# KiCad board prototype_01.kicad_pcb (continued)
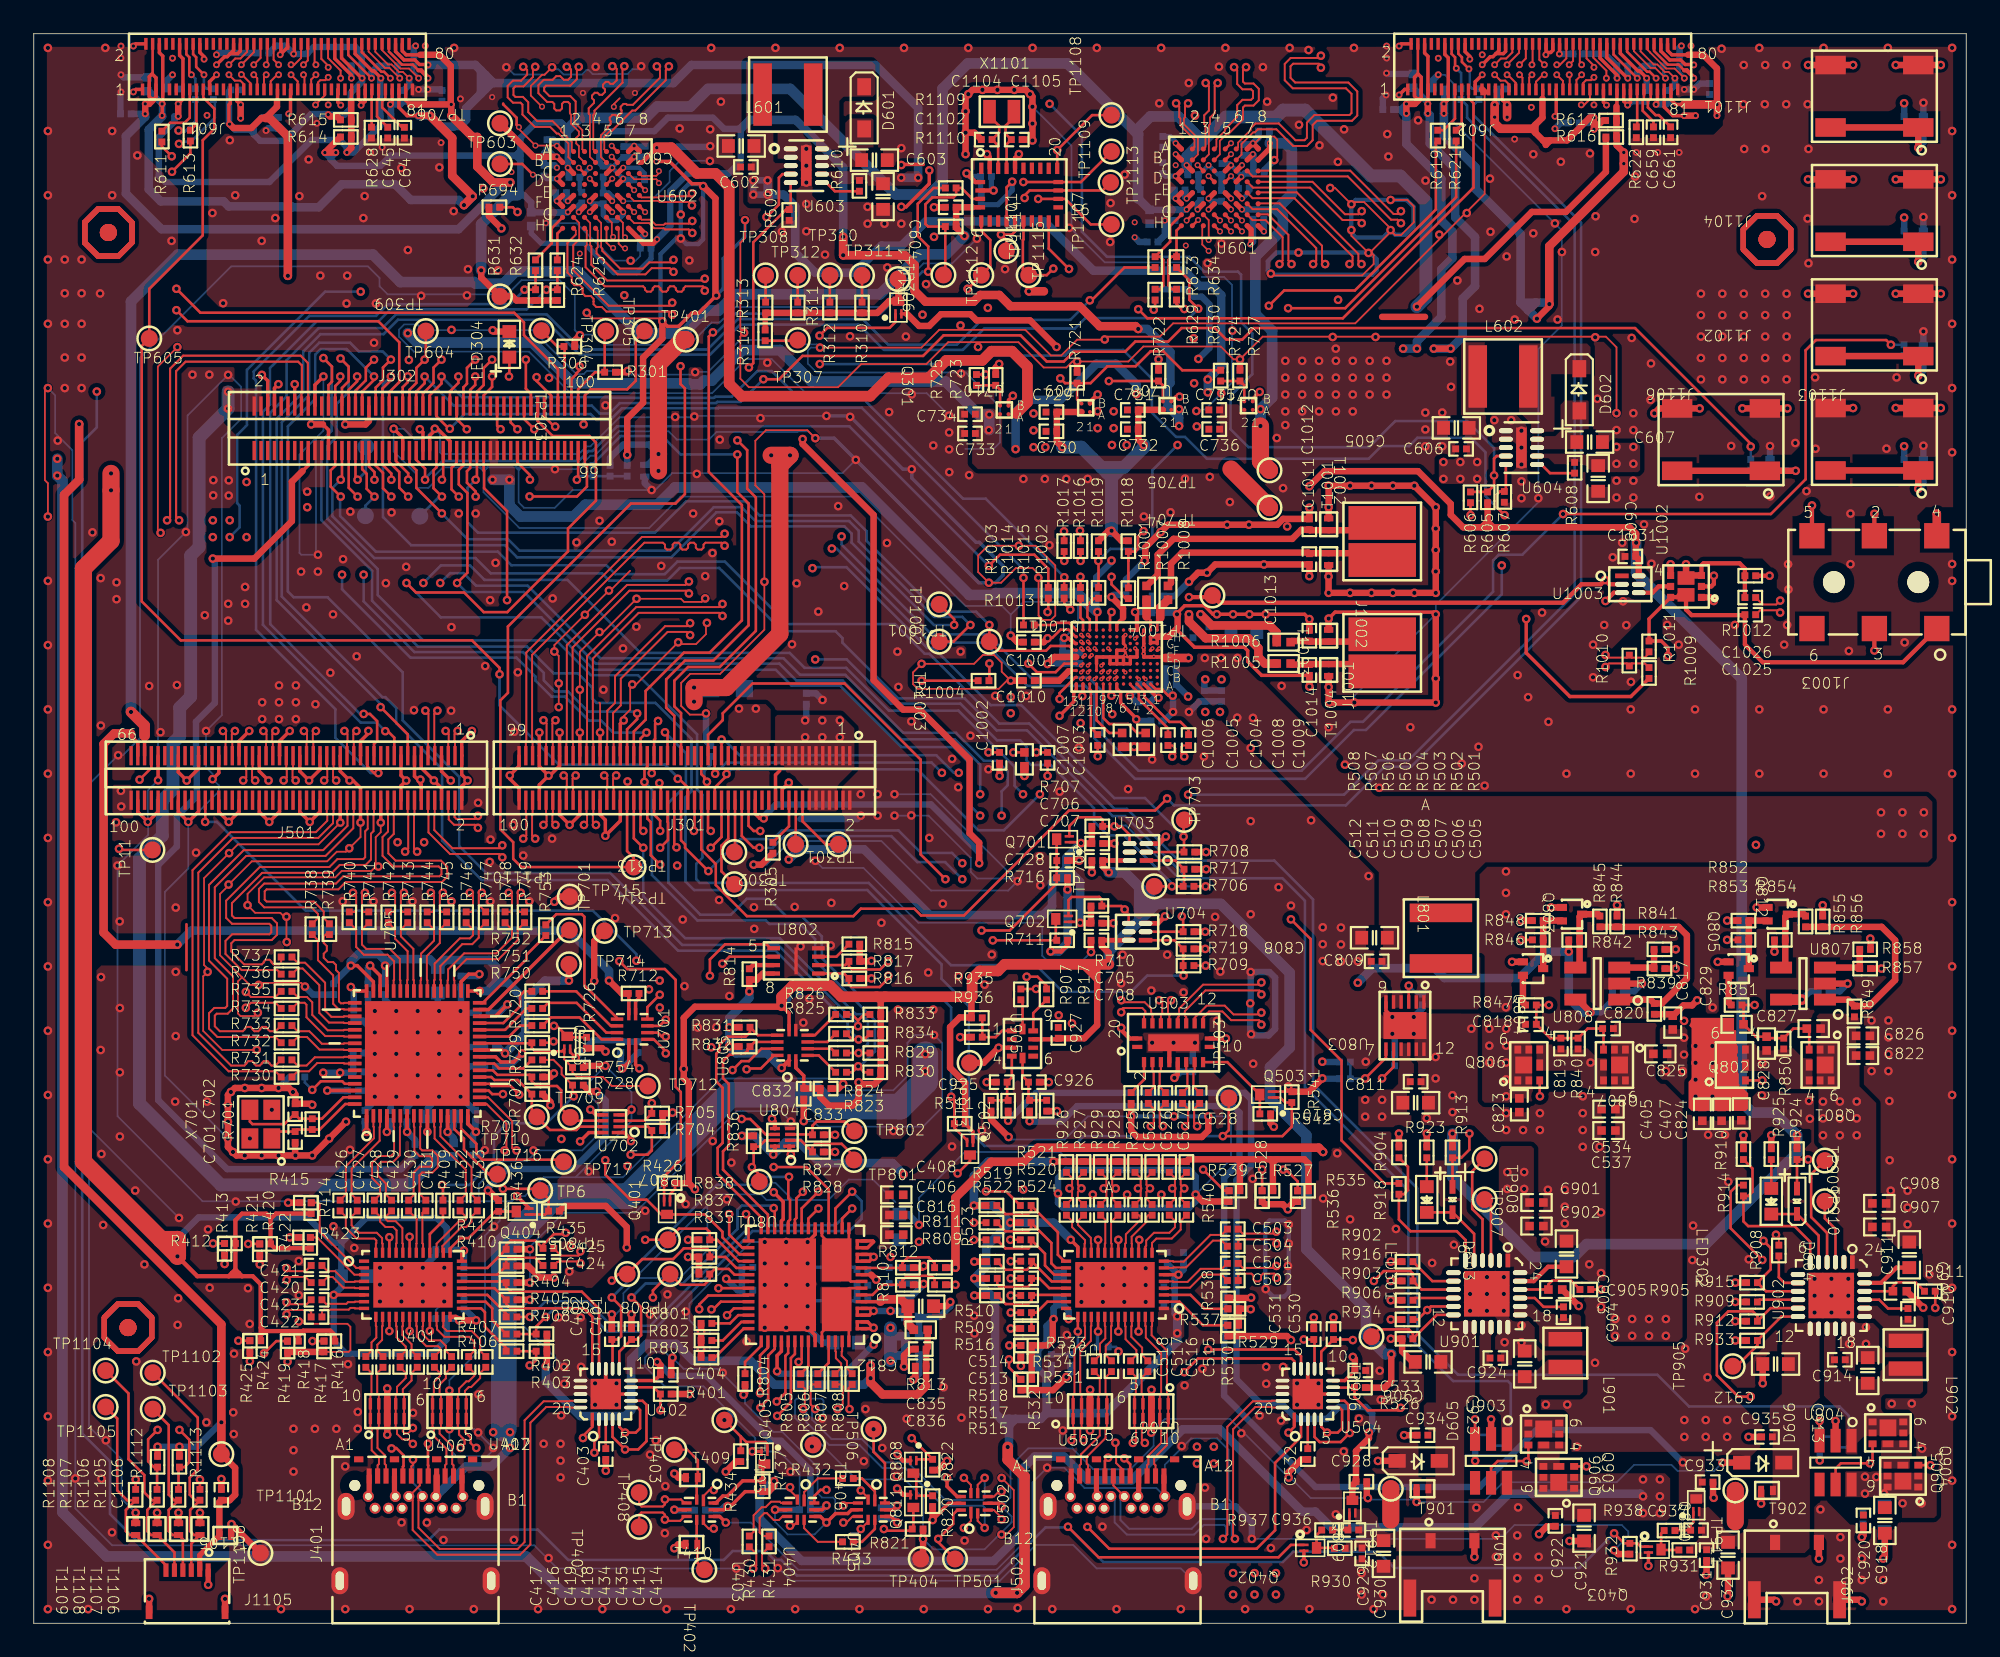
[diagram p0: board, top side]
## Nets (continued)
GND: C401.2 C402.2 C403.2 C404.2 C405.2 C406.2 C407.2 C408.2 C409.2 C410.2 C411.2 C412.2 C413.2 C436.2 C437.2 C438.2 C519.2 C520.2 C521.2 C522.2 C523.2 C524.2 C529.2 C530.2 C531.2 C532.2 C533.2 C534.2 C535.2 C536.2 C537.2 C601.2 C602.2 C603.2 C604.2 C605.2 C606.2 C607.2 C608.2 C609.2 C610.2 C611.2 C612.2 C613.2 C614.2 C615.2 C616.2 C617.2 C618.2 C619.2 C620.2 C621.2 C622.2 C623.2 C624.2 C625.2 C626.2 C627.2 C628.2 C629.2 C630.2 C631.2 C632.2 C633.2 C634.2 C635.1 C636.1 C637.1 C638.1 C639.2 C640.1 C641.2 C642.1 C643.1 C644.1 C645.1 C646.1 C647.1 C648.1 C649.1 C650.1 C651.1 C652.1 C653.2 C654.1 C655.2 C656.1 C657.1 C658.1 C659.1 C660.1 C661.1 C662.1 C701.2 C702.2 C703.2 C704.2 C705.2 C706.2 C707.2 C708.2 C709.2 C710.2 C711.2 C712.2 C713.2 C714.2 C715.2 C716.2 C717.2 C718.2 C719.2 C720.2 C722.2 C723.2 C724.2 C725.2 C726.2 C727.2 C728.2 C729.2 C730.2 C731.2 C732.2 C733.2 C734.2 C735.2 C736.2 C801.2 C802.2 C803.2 C804.2 C805.2 C806.2 C807.2 C808.2 C809.2 C810.1 C811.2 C812.1 C813.1 C814.1 C815.2 C816.2 C817.1 C821.2 C822.2 C823.2 C824.2 C825.2 C826.1 C830.2 C831.2 C832.2 C833.2 C834.2 C835.2 C836.2 C901.2 C902.2 C903.1 C905.1 C906.2 C907.2 C908.2 C909.1 C911.1 C912.2 C913.1 C914.2 C917.1 C918.1 C919.2 C920.2 C921.1 C922.2 C923.1 C924.2 C925.2 C926.2 C927.2 C928.2 C929.2 C930.1 C931.2 C932.1 C933.2 C934.2 C935.2 C1001.2 C1002.2 C1004.2 C1005.2 C1007.2 C1010.2 C1011.2 C1012.2 C1013.2 C1014.2 C1015.2 C1016.2 C1017.2 C1018.2 C1019.2 C1020.2 C1021.2 C1022.2 C1023.2 C1024.2 C1027.2 C1028.2 C1029.2 C1030.2 C1031.2 C1032.2 C1033.2 C1101.2 C1102.2 C1103.2 C1104.2 C1105.2 C1106.1 D605.1 D606.1 J301.2 J301.4 J301.22 J301.69 J301.70 J301.75 J301.76 J301.81 J301.82 J301.87 J301.88 J301.93 J301.94 J301.99 J301.100 J302.8 J302.14 J302.20 J302.45 J302.53 J302.59 J401.1 J401.2 J401.3 J401.4 J401.A1 J401.A12 J401.B1 J401.B12 J501.1 J501.2 J501.7 J501.8 J501.13 J501.14 J501.15 J501.19 J501.20 J501.26 J501.31 J501.32 J501.37 J501.38 J501.43 J501.44 J501.49 J501.50 J501.55 J501.56 J501.61 J501.62 J501.67 J501.68 J501.73 J501.74 J501.79 J501.80 J501.85 J501.86 J501.91 J501.92 J501.98 J502.1 J502.2 J502.3 J502.4 J502.A1 J502.A12 J502.B1 J502.B12 J601.1 J601.2 J601.8 J601.9 J601.10 J601.11 J601.18 J601.21 J601.22 J601.23 J601.24 J601.25 J601.28 J601.29 J601.30 J601.42 J601.43 J601.44 J601.45 J601.57 J601.58 J601.59 J601.62 J601.65 J601.66 J601.67 J601.74 J601.75 J601.80 J601.81 J602.1 J602.2 J602.8 J602.9 J602.10 J602.11 J602.18 J602.21 J602.22 J602.23 J602.24 J602.25 J602.28 J602.29 J602.30 J602.42 J602.43 J602.44 J602.45 J602.57 J602.58 J602.59 J602.62 J602.65 J602.66 J602.67 J602.74 J602.75 J602.80 J602.81 J901.2 J901.3 J901.4 J902.2 J902.3 J902.4 J1101.3 J1101.4 J1102.3 J1102.4 J1103.3 J1103.4 J1104.3 J1104.4 J1105.1 J1105.7 J1105.8 J1106.3 J1106.4 LED304.2 Q402.2 Q403.2 Q404.2 Q405.2 Q503.2 Q703.2 Q803.2 Q804.2 Q805.2 Q808.2 Q812.2 R301.2 R304.1 R305.2 R306.2 R404.1 R405.1 R411.2 R413.2 R415.2 R417.2 R419.2 R421.2 R423.2 R425.2 R429.1 R434.2 R435.2 R510.1 R513.2 R515.2 R516.2 R525.1 R528.2 R530.2 R532.2 R534.2 R536.2 R538.2 R540.2 R541.2 R607.1 R609.1 R622.1 R628.1 R684.2 R694.2 R708.2 R712.1 R713.1 R717.1 R718.1 R719.1 R721.1 R722.1 R723.1 R727.1 R754.2 R801.1 R802.1 R803.1 R804.1 R810.1 R812.1 R818.1 R819.1 R821.2 R822.2 R843.1 R844.1 R848.1 R852.1 R856.1 R857.1 R860.2 R902.1 R903.1 R904.1 R906.2 R908.1 R909.1 R910.1 R912.2 R915.1 R916.1 R919.1 R921.1 R926.2 R928.2 R932.2 R933.1 R934.1 R936.1 T409.1 T410.1 T411.1 T901.1 T902.1 T1001.1 T1002.1 T1003.1 T1004.1 T1101.1 T1102.1 T1103.1 T1104.1 T1105.1 T1106.1 T1107.1 T1108.1 T1109.1 T1110.1 TP404.1 TP715.1 TP913.1 TP1106.1 U401.41 U402.21 U403.4 U403.8 U404.4 U404.8 U405.4 U405.8 U406.3 U406.8 U407.3 U407.8 U501.41 U502.4 U502.8 U503.5 U503.11 U503.20 U503.21 U504.21 U505.3 U505.8 U506.3 U506.8 U601.A1 U601.A7 U601.A8 U601.C1 U601.C6 U601.D1 U601.E1 U601.E5 U601.E6 U601.F1 U601.F4 U601.F5 U601.H8 U602.A1 U602.A7 U602.A8 U602.C1 U602.C6 U602.D1 U602.E1 U602.E5 U602.E6 U602.F1 U602.F4 U602.F5 U602.H8 U603.1 U603.2 U603.11 U604.1 U604.2 U604.11 U701.7 U702.4 U703.3 U704.3 U705.65 U708.B1 U709.B1 U710.B1 U711.B1 U801.20 U801.51 U801.59 U802.4 U802.9 U803.6 U803.11 U803.12 U803.13 U804.4 U805.7 U807.2 U808.2 U901.17 U901.18 U901.25 U902.17 U902.18 U902.25 U903.2 U904.2 U905.3 U1001.A2 U1001.B7 U1001.C10 U1001.D5 U1001.D6 U1001.D7 U1001.D8 U1001.D10 U1001.E4 U1001.E5 U1001.E6 U1001.E7 U1001.E8 U1001.E9 U1001.E10 U1001.E12 U1001.F4 U1001.F6 U1001.F7 U1001.G1 U1001.G2 U1001.G6 U1001.G13 U1001.H1 U1001.H2 U1001.H4 U1001.H6 U1002.1 U1002.4 U1003.3 U1101.2 U1101.25 X701.2 X701.4
546_EN: Q404.3 R436.2 U401.29
4212_SEL: Q503.3 R542.2 U503.9
APQ_REOUT_N: J302.61 Q301.1
AUXN: C425.1 R411.1 R720.1 U401.27
BACKLIGHT_EN: J301.67 R606.2
BOOT_CONF_1P8: Q301.3 R310.2 R311.2 R312.2 R313.2 R314.2 TP306.1
BOOT_CONFIG1: R312.1 TP310.1
BOOT_CONFIG2: R313.1 TP308.1
BOOT_CONFIG3: R314.1 TP307.1
BTN_PHONE_ON_N: J301.32 R1104.1
CAM0_RST_N: J302.42 R706.2 R717.2 TP702.1 U703.1
CAM0_STANDBY_N: J302.28 R709.2 R719.2 U704.1
CAM1_RST_N: J302.92 R708.1 TP703.1 U703.2
CAM1_STANDBY_N: J301.43 R718.2 U704.2
CCI_I2C_SCL0: J501.27 R633.2 R704.1 U702.2
CCI_I2C_SDA0: J501.17 R634.2 R705.1 U702.3
CDC_MCLK: J302.49 R1003.1
CHG_PWR: C817.2 C818.1 C822.1 C823.1 C826.2 C827.1 C901.1 C902.1 C907.1 C908.1 Q801.1 Q801.2 Q801.5 Q801.6 Q801.8 Q806.1 Q806.2 Q806.5 Q806.6 Q806.8 R839.2 R849.2 R923.1 R925.1 U901.1 U901.24 U902.1 U902.24
CODEC_DATA: R1017.2 U701.6
CODEC_INT1_N: J302.47 TP1003.1 U1001.F11
CODEC_LDOENA: J302.67 TP1001.1 U1001.F13
CODEC_MCLK: R1004.1 U701.5
CODEC_RESET_N: J302.40 TP1002.1 U1001.D9
CODEC_SCL: J301.60 R1002.1 R1019.2
CODEC_SCLK: R1015.2 U701.4
CODEC_SDA: J301.62 R1001.1 R1018.2
CODEC_WS: R1016.2 U701.3
CTRL: R605.1 R606.1 U603.4 U604.4
DP_D0+: C426.2 U705.2
DP_D0-: C427.2 U705.3
DP_D1+: C428.2 U705.5
DP_D1-: C429.2 U705.6
DP_D2+: C430.2 U705.8
DP_D2-: C431.2 U705.9
DP_D3+: C432.2 U705.11
DP_D3-: C433.2 U705.12
DPEQ0/A1: R527.2 R528.1 U501.14
DPEQ1: R529.2 R530.1 U501.2
DRAIN1: U801.8 U801.15 U801.19 U801.58
DRAIN2: U801.7 U801.52 U801.56 U801.57
EQ0: R531.2 R532.1 U501.38
EQ1: R533.2 R534.1 U501.35
FAST_BOOT_0: J302.94 R306.1 TP303.1
FORCED_USB_BOOT: J302.100 TP305.1
FORCED_USB_BOOT1: R310.1 TP311.1
GPIO5: Q703.1 R720.2 R754.1 TP712.1 U705.26
GPIO5_CPU: J301.59 Q703.3 R726.2
GPIO14: R803.2 U801.42
GPIO15: R804.2 U801.43
GPIO76_BACK_KEY: J302.50 R1111.1
GPIO77_BOOT_UP: J302.52 Q402.1 Q403.1 R932.1
GPSWN: R1010.1 R1011.2 U1001.D11
GPSWP: R1009.1 R1010.2 U1001.D12
GYRO_INT: J301.68 TP1110.1 U1101.14
HDMI_DDC_CLOCK: J301.61 R823.1 R830.1
HDMI_DDC_DATA: J301.66 R824.1 R829.1
HDMI_HOT_PLUG_DETECT: J301.55 Q502.2 R511.2
HDMI_TCLK_N: C507.1 J501.10 R503.2
HDMI_TCLK_P: C508.1 J501.12 R504.2
HDMI_TX0_N: C505.1 J501.3 R501.2
HDMI_TX0_P: C506.1 J501.5 R502.2
HDMI_TX1_N: C510.1 J501.4 R506.2
HDMI_TX1_P: C509.1 J501.6 R505.2
HDMI_TX2_N: C512.1 J501.9 R508.2
HDMI_TX2_P: C511.1 J501.11 R507.2
HOME_KEY: J302.69 R1103.1
HPOUTFB1/MICDET2: C1026.2 J1003.4 R1012.1 U1001.A13 U1002.3 U1002.8
HPOUTL: J1003.2 U1001.B8 U1001.B12
HPOUTR: J1003.3 U1001.A8 U1001.A12
HRESET: Q811.3 R821.1 U801.44
I2C1_IRQZ: R836.1 TP807.1 U801.29 U804.7
I2C1_SCL: R832.1 U801.27 U805.10
I2C1_SDA: R831.1 U801.28 U805.9
I2C2_IRQZ: R835.1 TP808.1 U801.34 U804.6
I2C2_SCL: R838.1 TP805.1 U801.32 U805.12
I2C2_SDA: R837.1 TP806.1 U801.33 U805.11
I2C_EN: R539.2 R540.1 U501.17
I2C_L_SCL: J501.29 R624.1 R631.2
I2C_L_SDA: J501.21 R625.1 R632.2
I2C_LEVEL_SCL1: R825.2 U805.5
I2C_LEVEL_SCL2: R823.2 U805.3
I2C_LEVEL_SDA1: R826.2 U805.6
I2C_LEVEL_SDA2: R824.2 U805.4
I2C_R_SCL: J301.56 R626.1 R629.2
I2C_R_SDA: J301.54 R627.1 R630.2
I2C_SCL: J302.38 R825.1 R834.1 R907.2
I2C_SDA: J302.34 R826.1 R833.1 R917.2
IIS_DATA: R753.1 U701.9
IIS_MCLK: R752.1 U701.10
IIS_SCLK: R751.1 U701.11
IIS_WS: R750.1 U701.12
IN4N: C1026.1 U1001.B3
IN4P: C1025.1 U1001.B4
JACKDET: J1003.5 U1001.C8
L_775_EN: J301.64 R722.2 R725.2 U708.B2
L_AUXN: C425.2 U705.18
L_AUXP: C424.2 U705.17
L_BAT_CTL: J302.25 R922.1
L_C_CC1: J401.A5
L_C_CC2: J401.B5
L_C_SBU1: J401.A8 U402.1
L_C_SBU2: J401.B8
L_CC1: C402.1 U801.24
L_CC2: C401.1 U801.26
L_CHG_CE: J302.26 R915.2 U902.9
L_CHG_STAT: D604.1 J302.32 R924.2
L_D+: R432.2 U404.1
L_D-: R433.2 U404.7
L_DPEQ0: R412.2 R413.1 U401.35
L_DPEQ1: R414.2 R415.1 U401.2
L_EN: J301.51 R609.2 U603.5
L_EQ0: R416.2 R417.1 U401.11
L_EQ1: R418.2 R419.1 U401.14
L_FAULT: J302.88 R401.2
L_HPDIN: J301.40 Q401.2 R426.2
L_I2C_EN: R424.2 R425.1 U401.17
L_LCD_RST: J301.50 J601.19 TP605.1
L_LCD_VCCP: C635.2 C648.2 J601.3 J601.4 J601.5 J601.78 J601.79
L_OTG: J301.39 R914.1
L_RESET: J302.48 TP604.1 U602.D4
L_RX1+: C419.1 J401.B11 U406.4 U406.7
L_RX1-: C418.1 J401.B10 U406.5 U406.6
L_RX2+: C435.1 J401.A11 U407.2 U407.9
L_RX2-: C434.1 J401.A10 U407.1 U407.10
L_SBU1: R405.2 U401.24
L_SBU2: R404.2 U401.25
L_SPI_CLK: J302.41 R611.2
L_SPI_CS: J302.35 R623.2
L_SPI_MISO: J302.39 R613.2
L_SPI_MOSI: J302.37 R612.2
L_SSEQ0: R420.2 R421.1 U401.38
L_SSEQ1: R422.2 R423.1 U401.3
L_SSRXN: C421.2 U503.18
L_SSRXP: C420.2 U503.19
L_SSTXN: C423.2 U503.16
L_SSTXP: C422.2 U503.17
L_STAT: D604.2 LED302.2 U902.5
L_STBY: J302.43 TP603.1 U602.C3
L_TX1+: C417.1 J401.A2 U406.1 U406.10
L_TX1-: C416.1 J401.A3 U406.2 U406.9
L_TX2+: C414.1 J401.B2 U407.5 U407.6
L_TX2-: C415.1 J401.B3 U407.4 U407.7
L_VBAT: C912.1 C931.1 C932.2 C935.1 C937.1 D606.2 J902.1 Q810.2 R931.1 T902.2 TP911.1 U902.13 U902.14
L_VBUS: C405.1 C406.1 C407.1 C408.1 C816.1 C824.1 C829.1 J401.A4 J401.A9 J401.B4 J401.B9 Q802.1 Q802.2 Q802.5 Q802.6 Q802.8 U801.13 U801.14
L_VDD1_1V8: C637.2 C642.2 J601.12 J601.13 J601.63 J601.64 R614.1 R615.1
L_VDD_10V: C604.1 C636.2 J601.6 J601.7 J601.76 J601.77 R610.2 U603.7
LCD_1V2_L: C613.1 C614.1 C615.1 C616.1 C617.1 C618.1 TP706.1 U602.B1 U602.B8 U602.E2 U602.E4 U602.F3 U602.F6 U710.A1
LCD_1V2_R: C619.1 C620.1 C621.1 C622.1 C623.1 C624.1 TP705.1 U601.B1 U601.B8 U601.E2 U601.E4 U601.F3 U601.F6 U711.A1
LCD_1V8_L: C630.1 C631.1 C632.1 C633.1 C634.1 R601.1 U602.B7 U602.C5 U602.D6 U602.H7 U708.A1
LCD_1V8_R: C625.1 C626.1 C627.1 C628.1 C629.1 R602.1 U601.B7 U601.C5 U601.D6 U601.H7 U709.A1
LL_VBAT: C933.1 Q810.3 R929.1
LLV1A: J601.31 U602.F7
LLV1B: J601.32 U602.F8
LLV2A: J601.33 U602.C7
LLV2B: J601.34 U602.C8
LLV3A: J601.35 U602.D7
LLV3B: J601.36 U602.D8
LLV4A: J601.37 U602.E7
LLV4B: J601.38 U602.E8
LLV5A: J601.39 U602.G7
LLV5B: J601.40 U602.G8
LLV6A: J601.53 U602.B2
LLV6B: J601.54 U602.A2
LLV7A: J601.51 U602.B3
LLV7B: J601.52 U602.A3
LLV8A: J601.49 U602.B4
LLV8B: J601.50 U602.A4
LLV9A: J601.47 U602.B6
LLV9B: J601.48 U602.A6
LLV10A: J601.55 U602.B5
LLV10B: J601.56 U602.A5
LT_I2C_SCL: R703.1 TP710.1 U702.7 U705.21
LT_I2C_SDA: R702.1 TP709.1 U702.6 U705.22
LT_VCC12: C717.1 C718.1 C719.1 C720.1 C722.1 C723.1 C724.1 C725.1 C726.1 C727.1 R715.1 TP713.1 U705.1 U705.4 U705.10 U705.13 U705.24 U705.30 U705.34 U705.46 U705.48 U705.59 U705.60
LT_VCC33: C703.1 C704.1 C709.1 C710.1 C711.1 C712.1 C713.1 C714.1 C715.1 C716.1 R702.2 R703.2 R711.1 R714.1 R716.2 TP714.1 U701.1 U702.8 U705.7 U705.16 U705.25 U705.33 U705.45 U705.47 U705.62
MICBIAS1: C1027.1 C1028.1 R1009.2 U1001.C7
MICBIAS2: C1029.1 C1030.1 R1012.2 U1001.C6
MICDET1/HPOUTFB2: C1025.2 J1003.1 R1011.1 U1001.B13 U1002.6 U1002.7
MICVDD: C1010.1 U1001.C13
MIPI_CSI0_CLK_N: J501.18 R734.2
MIPI_CSI0_CLK_P: J501.16 R735.2
MIPI_CSI0_LANE0_N: J501.24 R738.2
MIPI_CSI0_LANE0_P: J501.22 R739.2
MIPI_CSI0_LANE1_N: J501.30 R736.2
MIPI_CSI0_LANE1_P: J501.28 R737.2
MIPI_CSI0_LANE2_N: J501.36 R732.2
MIPI_CSI0_LANE2_P: J501.34 R733.2
MIPI_CSI0_LANE3_N: J501.42 R730.2
MIPI_CSI0_LANE3_P: J501.40 R731.2
MIPI_CSI1_CLK_N: J501.41 R744.2
MIPI_CSI1_CLK_P: J501.39 R745.2
MIPI_CSI1_LANE0_N: J501.35 R748.2
MIPI_CSI1_LANE0_P: J501.33 R749.2
MIPI_CSI1_LANE1_N: J501.45 R746.2
MIPI_CSI1_LANE1_P: J501.47 R747.2
MIPI_CSI1_LANE2_N: J501.53 R742.2
MIPI_CSI1_LANE2_P: J501.51 R743.2
MIPI_CSI1_LANE3_N: J501.59 R740.2
MIPI_CSI1_LANE3_P: J501.57 R741.2
MIPI_DSI0_CLK_N: J301.83 U601.H4
MIPI_DSI0_CLK_P: J301.85 U601.G4
MIPI_DSI0_LANE0_N: J301.74 U601.H2
MIPI_DSI0_LANE0_P: J301.72 U601.G2
MIPI_DSI0_LANE1_N: J301.77 U601.H3
MIPI_DSI0_LANE1_P: J301.79 U601.G3
MIPI_DSI0_LANE2_N: J301.73 U601.H5
MIPI_DSI0_LANE2_P: J301.71 U601.G5
MIPI_DSI0_LANE3_N: J301.97 U601.H6
MIPI_DSI0_LANE3_P: J301.95 U601.G6
MIPI_DSI1_CLK_N: J301.91 U602.H4
MIPI_DSI1_CLK_P: J301.89 U602.G4
MIPI_DSI1_LANE0_N: J301.86 U602.H2
MIPI_DSI1_LANE0_P: J301.84 U602.G2
MIPI_DSI1_LANE1_N: J301.78 U602.H3
MIPI_DSI1_LANE1_P: J301.80 U602.G3
MIPI_DSI1_LANE2_N: J301.98 U602.H5
MIPI_DSI1_LANE2_P: J301.96 U602.G5
MIPI_DSI1_LANE3_N: J301.92 U602.H6
MIPI_DSI1_LANE3_P: J301.90 U602.G6
OTG_EN: J301.52 R818.2 U803.3
PA_BC_R_D+: R805.1 U502.2
PA_BC_R_D-: R806.1 U502.6
PA_DP_MODE: R524.2 U801.21
PA_POL: R521.2 U801.23
PA_PP_EXT_ENABLE: R853.2 U801.48
PA_R_D+: J502.A6 J502.B6 U502.3
PA_R_D-: J502.A7 J502.B7 U502.5
PA_R_HPDIN: Q502.3 R512.2 R523.2 U801.30
PA_USB3: R522.2 U801.22
PB_BC_L_D+: R807.1 U405.2
PB_BC_L_D-: R808.1 U405.6
PB_DP_MODE: R408.2 U801.16
PB_L_D+: J401.A6 J401.B6 U405.3
PB_L_D-: J401.A7 J401.B7 U405.5
PB_L_HPDIN: Q401.3 R409.2 R728.1 R729.2 U801.31
PB_POL: R403.2 R406.2 U801.18
PB_PP_EXT_ENABLE: R846.2 U801.49
PB_USB3: R402.2 R407.2 U801.17
PD_I2C1_IRQZ: R828.1 TP801.1 U804.2
PD_I2C2_IRQZ: R827.1 TP802.1 U804.3
PD_LDO_1V8: C806.1 C807.1 U801.35
PD_LDO_3V3: C404.1 C436.1 C438.1 C529.1 C533.1 C801.1 C802.1 C803.1 C804.1 C805.1 C821.1 C830.1 C834.1 Q811.2 R542.1 R809.1 R811.1 R814.1 R815.1 R816.1 R817.1 R820.1 R831.2 R832.2 R835.2 R836.2 R837.2 R838.2 R842.2 R854.2 U404.9 U405.9 U502.9 U503.6 U801.9 U802.8 U804.8 U805.1 U807.5 U808.5
PD_RESET: J302.84 Q808.1 R822.1
PD_SPI_CLK: U801.38 U802.6
PD_SPI_MISO: R817.2 U801.36 U802.2
PD_SPI_MOSI: U801.37 U802.5
PD_SPI_SS: R816.2 U801.39 U802.1
R_775_EN: J301.58 R721.2 R724.2 U709.B2
R_AUXN: C513.1 C1008.2
R_AUXP: C514.1 C1009.2
R_BAT_CTL: J302.27 R920.1
R_C_CC1: J502.A5
R_C_CC2: J502.B5
R_C_SBU1: J502.A8 U504.1
R_C_SBU2: J502.B8
R_CC1: C531.1 U801.45
R_CC2: C530.1 U801.47
R_CHG_CE: J301.34 R916.2 U901.9
R_CHG_STAT: D603.1 J302.63 R913.2
R_D+: U404.2 U502.7
R_D-: U404.6 U502.1
R_EN: J302.82 R607.2 U604.5
R_FAULT: J302.86 R526.2
R_I2C_SCL: R629.1 R633.1 U601.G1
R_I2C_SDA: R630.1 R634.1 U601.H1
R_L_D+: R430.2 U403.1
R_L_D-: R431.2 U403.7
R_LCD_RST: J302.31 J602.19 TP606.1
R_LCD_VCCP: C649.2 C662.2 J602.3 J602.4 J602.5 J602.78 J602.79
R_OTG: J301.41 R918.1
R_RESET: J302.55 TP602.1 U601.D4
R_RX1+: J502.B11 U501.30 U505.1 U505.10
R_RX1-: J502.B10 U501.31 U505.2 U505.9
R_RX2+: J502.A11 U501.40 U506.1 U506.10
R_RX2-: J502.A10 U501.39 U506.2 U506.9
R_RX2N: C502.1 U503.14
R_RX2P: C501.1 U503.15
R_SBU1: R517.2
R_SBU2: R518.2
R_SPI_CLK: J301.44 R619.2
R_SPI_CS: J301.42 R618.2
R_SPI_MISO: J301.48 R621.2
R_SPI_MOSI: J301.46 R620.2
R_STAT: D603.2 LED301.2 U901.5
R_STBY: J302.33 TP601.1 U601.C3
R_TX1+: C518.2 J502.A2 U505.4 U505.7
R_TX1-: C517.2 J502.A3 U505.5 U505.6
R_TX2+: C515.2 J502.B2 U506.4 U506.7
R_TX2-: C516.2 J502.B3 U506.5 U506.6
R_TX2N: C504.1 U503.12
R_TX2P: C503.1 U503.13
R_VBAT: C906.1 C929.1 C930.2 C934.1 C936.1 D605.2 J901.1 Q809.2 R930.1 T901.2 TP912.1 U901.13 U901.14
R_VBUS: C534.1 C535.1 C536.1 C537.1 C815.1 C820.1 C825.1 J502.A4 J502.A9 J502.B4 J502.B9 Q807.1 Q807.2 Q807.5 Q807.6 Q807.8 U801.3 U801.4
R_VDD1_1V8: C651.2 C656.2 J602.12 J602.13 J602.63 J602.64 R616.1 R617.1
R_VDD_10V: C608.1 C650.2 J602.6 J602.7 J602.76 J602.77 R608.2 U604.7
REXT: R713.2 U705.61
RLV1A: J602.31 U601.F7
RLV1B: J602.32 U601.F8
RLV2A: J602.33 U601.C7
RLV2B: J602.34 U601.C8
RLV3A: J602.35 U601.D7
RLV3B: J602.36 U601.D8
RLV4A: J602.37 U601.E7
RLV4B: J602.38 U601.E8
RLV5A: J602.39 U601.G7
RLV5B: J602.40 U601.G8
RLV6A: J602.53 U601.B2
RLV6B: J602.54 U601.A2
RLV7A: J602.51 U601.B3
RLV7B: J602.52 U601.A3
RLV8A: J602.49 U601.B4
RLV8B: J602.50 U601.A4
RLV9A: J602.47 U601.B6
RLV9B: J602.48 U601.A6
RLV10A: J602.55 U601.B5
RLV10B: J602.56 U601.A5
RR_VBAT: C928.1 Q809.3 R927.1
RSTIN: C728.1 Q701.3 R716.1 U705.20
RX_HPD: R729.1 U705.23
SENSOR_BOOT: J301.65 R1109.2
SLEEP_33: Q702.3 R711.2 U705.19
SLIMBUS_CLK: J302.56 R1013.2
SLIMBUS_DATA0: J302.54 R1014.2
SS_CLK_SEL: J302.46 TP1114.1 U1101.10
SSC_NRST: J302.70 TP1115.1 U1101.11
SSC_SPI_1_CLK: J302.62 TP1109.1 U1101.19
SSC_SPI_1_CS_N: J302.64 TP1113.1 U1101.18
SSC_SPI_1_MISO: J302.68 TP1108.1 U1101.20
SSC_SPI_1_MOSI: J302.66 TP1107.1 U1101.17
SSC_WAKE_PS0: J302.60 TP1112.1 U1101.6
SSEQ0/A0: R535.2 R536.1 U501.11
SSEQ1: R537.2 R538.1 U501.3
SWD_CLK: R801.2 U801.40
SWD_DAT: R802.2 U801.41
SYS_5V: C810.2 C811.1 C813.2 C814.2 R859.1 U801.1 U801.2 U801.11 U801.12 U801.25 U801.46 U803.9 U803.10
SYS_VBAT: C437.1 C524.1 C601.1 C602.1 C605.1 C606.1 C808.1 C809.1 C917.2 C918.2 C919.1 C920.1 C921.2 C922.1 C1015.1 C1016.1 C1017.1 J301.1 J301.3 J301.5 J301.6 J301.7 J301.8 J301.9 J301.10 J301.11 J301.12 J301.13 J301.14 J301.15 J301.17 J301.19 J301.21 J301.23 J301.24 L601.1 L602.1 L801.1 Q905.1 Q905.2 Q905.5 Q905.6 Q905.8 Q906.1 Q906.2 Q906.5 Q906.6 Q906.8 R437.1 U403.9 U603.3 U604.3 U803.4 U803.5 U903.6 U904.6 U1001.E1 U1001.E2 U1001.E3 U1001.F3 U1001.G3 U1001.H3 U1001.J3
TP_EINT: J302.65 R1105.2
TP_RST: J302.90 R1108.2
TP_SCL: J302.74 R1106.2 R1113.2
TP_SDA: J302.78 R1107.2 R1112.2
TUSB1064_EN: J302.29 Q404.1 R435.1 TP6.1
USB1_HS_N: J302.18 TP407.1 U403.5
USB1_HS_P: J302.16 TP408.1 U403.3
USB1_R_L_SEL: J302.99 TP406.1 U404.10
USB1_SEL: J302.96 Q405.1 R434.1 TP405.1
USB1_SS_RX_N: C526.1 J501.71
USB1_SS_RX_P: C525.1 J501.69
USB1_SS_TX_N: C528.1 J501.65
USB1_SS_TX_P: C527.1 J501.63
USB3_SEL: J302.24 Q503.1 R541.1 TP503.1
USB_D+: T409.2 TP403.1 U403.2
USB_D-: T410.2 TP402.1 U403.6
USB_HS1_VBUS_DET: J302.97 R427.2 R428.1 R429.2
USB_HUB_RESET: J302.98 R301.1 TP304.1
USB_ID: J301.53 R427.1
USB_L_SEL: J302.30 TP506.1 U405.10
USB_R_SEL: J302.57 TP501.1 U502.10
USB_VBUS_5V: R303.1 R428.2 T411.2 TP401.1
VOLUME_DOWN: J301.63 R1102.1
VOLUME_UP: J501.78 R1101.1
VREG_L14A_2P8: C1106.2 J302.36 J1105.2 R1112.1 R1113.1 T1105.2 TP1101.1
VREG_L15A_1P2: C733.1 C734.1 C735.1 C736.1 J302.6 TP704.1 U710.A2 U711.A2
VREG_L17A_3P3: J302.17 R714.2
VREG_L18A_1P8: C652.2 C653.1 C654.2 C655.1 J501.100 J602.27 J602.41 J602.46 J602.60 R617.2
VREG_L19A_1P2: J302.2 J302.4 R715.2
VREG_L21A_3P3: C409.1 C410.1 C411.1 C412.1 C413.1 C835.1 C836.1 J302.19 J302.21 R402.1 R403.1 R410.2 R412.1 R414.1 R416.1 R418.1 R420.1 R422.1 R424.1 R436.1 R728.2 R813.1 U401.6 U401.20 U401.28
VREG_L22A_2P85: C1101.1 J301.30 U1101.3
VREG_L23A_1P8: C638.2 C639.1 C640.2 C641.1 J302.23 J601.27 J601.41 J601.46 J601.60 R615.2
VREG_L29A_3P3: C519.1 C520.1 C521.1 C522.1 C523.1 J302.51 R501.1 R502.1 R503.1 R504.1 R505.1 R506.1 R507.1 R508.1 R509.1 R514.2 R519.2 R520.2 R527.1 R529.1 R531.1 R533.1 R535.1 R537.1 R539.1 U501.1 U501.6 U501.20 U501.28
VREG_LVS1A_1P8: C705.1 C706.1 J501.97 Q701.1 Q702.1 R704.2 R705.2 R707.1 R710.1 R712.2 U701.8 U702.1 U702.5
VREG_LVS2A_1P8: C1102.1 J501.95 R1110.2 U1101.5 U1101.28
VREG_S4A_1P8: C609.1 C610.1 C611.1 C612.1 C707.1 C708.1 C729.1 C730.1 C731.1 C732.1 C831.1 C832.1 C833.1 C927.1 C1018.1 C1019.1 C1020.1 C1021.1 C1022.1 C1023.1 C1024.1 C1031.1 C1032.1 C1033.1 J302.71 J302.73 Q301.2 Q401.1 Q502.1 R401.1 R426.1 R511.1 R526.1 R601.2 R602.2 R605.2 R614.2 R616.2 R624.2 R625.2 R626.2 R627.2 R726.1 R827.2 R828.2 R829.2 R830.2 R833.2 R834.2 R913.1 R924.1 R935.1 R1018.1 R1019.1 TP309.1 U601.C2 U601.F2 U602.C2 U602.F2 U701.2 U703.6 U704.6 U708.A2 U709.A2 U804.1 U804.5 U805.2 U805.8 U905.8 U1001.A3 U1001.A7 U1001.C9 U1001.E13 U1001.G12 U1001.J4 U1001.J5 U1001.J7 U1001.J10 U1003.6
VSYNC: TP701.1 U705.31
WDOG_DISABLE: R311.1 TP312.1
WM8998_GPIO5: TP1004.1 U1001.E11 U1002.2 U1003.2
XTALI: C701.1 R701.1 U705.64 X701.1
XTALO: C702.1 R701.2 U705.63 X701.3
N449180: J501.93 TP11.1
N461675: C505.2 U501.9
N461827: C506.2 U501.10
N465991: C509.2 U501.15
N465995: C510.2 U501.16
N465999: C511.2 U501.18
N466003: C512.2 U501.19
N466007: C507.2 U501.12
N466011: C508.2 U501.13
N477533: C504.2 U501.7
N477537: C503.2 U501.8
N477541: C502.2 U501.4
N477545: C501.2 U501.5
N501104: R519.1 R521.1 U501.21
N503640: R520.1 R522.1 U501.22
N514349: C515.1 U501.37
N514831: C516.1 U501.36
N574039: J301.20 R305.1
N574665: J301.25 J301.27 J301.29 J301.31 J301.33 R303.2
N574841: J301.45 R304.2
N613918: C661.2 J602.73
N614800: C660.2 J602.72
N615585: C659.2 J602.71
N616373: C658.2 J602.70
N617736: J602.69 R622.2
N619066: C657.2 J602.68
N710068: C647.2 J601.73
N710130: C646.2 J601.72
N710232: C645.2 J601.71
N710312: C644.2 J601.70
N710404: J601.69 R628.2
N710552: C643.2 J601.68
N793506: R750.2 U705.27
N794309: R751.2 U705.28
N795118: R752.2 U705.29
N797581: R753.2 U705.32
N809060: R739.1 U705.49
N809517: R738.1 U705.50
N809979: R737.1 U705.51
N810442: R736.1 U705.52
N810906: R735.1 U705.53
N811371: R734.1 U705.54
N811837: R733.1 U705.55
N812368: R732.1 U705.56
N813322: R731.1 U705.57
N813797: R730.1 U705.58
N902993: R902.2 U901.8
N903439: R903.2 U901.10
N904911: R905.1 R906.1 U901.11
N910665: C923.2 C924.1 L901.2 Q903.1 Q903.2 Q903.5 Q903.6 Q903.8 U901.15 U901.16 U903.1
N913930: C904.1 U901.21
N914415: C904.2 L901.1 U901.19 U901.20
N1022925: Q903.3 Q906.3 U903.5
N1064358: C905.2 R905.2 U901.22
N1300992: C514.2 R510.2 U501.24
N1482727: C424.1 R410.1 U401.26
N1483436: C426.1 U401.40
N1483440: C427.1 U401.39
N1484153: C428.1 U401.37
N1484157: C429.1 U401.36
N1484922: C430.1 U401.34
N1484926: C431.1 U401.33
N1485655: C432.1 U401.31
N1485659: C433.1 U401.30
N1486396: C420.1 U401.5
N1486400: C421.1 U401.4
N1487145: C422.1 U401.8
N1487149: C423.1 U401.7
N1490856: C414.2 U401.19
N1491525: C415.2 U401.18
N1594937: C1003.1 U1001.B9
N1595683: C1003.2 U1001.B10
N1597637: C1005.1 U1001.A10
N1598389: C1004.1 U1001.A9
N1601393: C1006.2 U1001.A11
N1602917: C1006.1 U1001.B11
N1605053: C1007.1 U1001.C11
N1611847: R1005.2 U1001.F2
N1612628: R1006.2 U1001.F1
N1613411: R1007.2 U1001.J2
N1614196: R1008.2 U1001.J1
N1664769: C1001.1 U1001.D13 U1001.H13 U1001.J8
N1676321: C1002.1 U1001.C12
N1725409: C417.2 U401.9
N1726123: C416.2 U401.10
N1828671: C513.2 R509.2 U501.25
N1995411: R809.2 R810.2 U801.6
N2002496: R811.2 R812.2 U801.10
N3079043: C418.2 U401.13
N3080031: C419.2 U401.12
N3131959: C403.1
N3190992: C525.2 U503.3
N3192158: C526.2 U503.4
N3193999: C527.2 U503.7
N3195170: C528.2 U503.8
N3228420: R525.2 U503.2
N3289478: C532.1
N3400514: R513.1 R514.1 U501.29
N3513315: R1015.1 U1001.J12
N3674479: C1014.1 J1001.1 R1005.1 T1004.2
N3674483: C1013.1 J1001.2 R1006.1 T1003.2
N3685745: C1011.1 J1002.2 R1008.1 T1001.2
N3686654: C1012.1 J1002.1 R1007.1 T1002.2
N3956842: C517.1 U501.34
N3956846: C518.1 U501.33
N3960007: R516.1 R518.1 U501.26
N3960011: R515.1 R517.1 U501.27
N4063856: U1002.5 U1003.4
N4320964: C819.1 Q806.4 Q806.7 Q807.4 Q807.7 R840.2 R841.2
N4330009: C818.2 C819.2 C820.2 Q806.3 Q807.3 R840.1 R847.2
N4379007: R841.1 R843.2 U808.3
N4402137: R839.1 R844.2 R845.2 U808.1
N4405681: Q803.3 Q804.1 R846.1 R848.2
N4413317: Q803.1 R842.1 R845.1 U808.4
N4419707: Q804.3 R847.1
N4426529: C827.2 C828.2 C829.2 Q801.3 Q802.3 R850.1 R851.2
N4426571: R849.1 R855.2 R856.2 U807.1
N4426701: R857.2 R858.1 U807.3
N4426727: Q805.1 Q812.3 R852.2 R853.1
N4426765: Q805.3 R851.1
N4426875: C828.1 Q801.4 Q801.7 Q802.4 Q802.7 R850.2 R858.2
N4427111: Q812.1 R854.1 R855.1 U807.4
N4609948: C812.2 R813.2 U801.5
N4905545: R808.2 U801.55
N4905795: R807.2 U801.54
N4910945: R805.2 U801.50
N4911197: R806.2 U801.53
N5005255: Q903.4 Q903.7 Q906.4 Q906.7
N5119881: L801.2 U803.1 U803.2
N5481925: C603.1 D601.2 U603.8 U603.9
N5493847: R610.1 U603.6
N5542711: C607.1 D602.2 U604.8 U604.9
N5542719: R608.1 U604.6
N5566951: D602.1 L602.2 U604.10
N5572453: D601.1 L601.2 U603.10
N6192870: Q701.2 R706.1 R707.2 U703.4
N6558933: Q702.2 R709.1 R710.2 U704.4
N8353086: C1104.1 U1101.27 X1101.1
N8353178: R1109.1 R1110.1 TP1111.1 U1101.4
N8353236: C1105.1 U1101.26 X1101.2
N8353280: C1103.1 U1101.9
N8518121: R523.1 R524.1 U501.23
N8519947: R512.1 U501.32
N8557259: Q808.3 Q811.1 R820.2
N8604298: C1008.1 U1001.A5
N8605305: C1009.1 U1001.A4
N8711936: R819.2 U803.8
N8787935: R815.2 U802.3
N8811803: R814.2 U802.7
N8895024: R1003.2 U1001.H12
N8896588: R1004.2 U1001.F12
N8909823: C903.2 U901.23
N9698835: J1102.1 J1102.2 R1102.2 T1102.2
N9700770: J1101.1 J1101.2 R1101.2 T1101.2
N9701649: J1104.1 J1104.2 R1104.2 T1104.2
N10102285: J1103.1 J1103.2 R1103.2 T1103.2
N10154362: J1105.4 R1106.1 T1107.2 TP1103.1
N10154374: J1105.3 R1105.1 T1106.2 TP1102.1
N10154418: J1105.5 R1107.1 T1108.2 TP1104.1
N10154492: J1105.6 R1108.1 T1109.2 TP1105.1
N10693033: R1013.1 U1001.J13
N10693334: R1014.1 U1001.G11
N10697228: R1016.1 U1001.F10
N10697531: R1017.1 U1001.H11
N11232422: C911.2 R911.2 U902.22
N11232438: C910.2 L902.1 U902.19 U902.20
N11232558: C909.2 U902.23
N11232708: C913.2 C914.1 L902.2 Q904.1 Q904.2 Q904.5 Q904.6 Q904.8 U902.15 U902.16 U904.1
N11232828: C910.1 U902.21
N11232848: R908.2 U902.8
N11232852: R909.2 U902.10
N11232942: R911.1 R912.1 U902.11
N11506579: R1002.2 U1001.J11
N11507602: R1001.2 U1001.F8
N11540690: J601.14 R623.1
N11551758: J601.15 R611.1
N11552429: J601.16 R612.1
N11553825: J601.17 R613.1
N11562122: J602.17 R621.1
N11562797: J602.16 R620.1
N11563473: J602.15 R619.1
N11564150: J602.14 R618.1
N11717787: R904.2 R918.2 U901.6
N11749043: R406.1 U401.21
N11749394: R407.1 U401.22
N11749746: R408.1 U401.23
N11750099: R409.1 U401.32
N12644389: R632.1 U602.H1
N12645126: R631.1 U602.G1
N13634046: R910.2 R914.2 U902.6
N13822389: R933.2 TP905.1 U902.12
N13825666: R934.2 TP906.1 U901.12
N13955692: Q904.3 Q905.3 U904.5
N13955736: Q904.4 Q904.7 Q905.4 Q905.7
N14056750: R921.2 R922.2 U904.3
N14059137: R919.2 R920.2 U903.3
N14207457: C435.2 U401.16
N14208601: C434.2 U401.15
N14444558: LED301.1 R923.2
N14453922: LED302.1 R925.2
N14469500: J302.79 LED304.1
N14536845: Q402.3 R930.2 R937.2
N14559099: Q403.3 R931.2 R938.2
N14625751: C926.1 R928.1 R929.2 U905.5
N14625807: C925.1 R926.1 R927.2 U905.4
N14641767: J301.16 TP301.1
N14642830: J301.18 TP302.1
N14646052: J301.36 TP313.1
N14647131: J301.38 TP314.1
N14695233: R917.1 U905.9
N14695567: R907.1 U905.10
N14897144: J1106.1 J1106.2 R1111.2 T1110.2
N14915482: Q405.3 R437.2 U403.10
N15279169: R724.1 R727.2 U711.B2
N15283828: R723.2 R725.1 U710.B2
N15459534: R740.1 U705.44
N15459870: R741.1 U705.43
N15460207: R742.1 U705.42
N15460545: R743.1 U705.41
N15460884: R744.1 U705.40
N15461224: R745.1 U705.39
N15461565: R746.1 U705.38
N15461907: R747.1 U705.37
N15462250: R748.1 U705.36
N15463405: R749.1 U705.35
N15727685: TP907.1 U901.3
N15728930: TP908.1 U901.4
N15730580: TP910.1 U902.3
N15731829: TP909.1 U902.4
N15812820: R859.2 R860.1 U803.7
N16283960: R935.2 R936.2 U905.1
N16522035: R694.1 U602.D5
N16524234: R684.1 U601.D5
N16591790: TP716.1 U705.14
N16594066: TP717.1 U705.15
N16795487: R433.1 U405.7
N16795489: R432.1 U405.1
N16795507: R431.1 U404.5
N16795509: R430.1 U404.3
N16856712: C936.2 Q809.1 R937.1
N16875670: C937.2 Q810.1 R938.1

Pads without a net: J301 26 28 35 37 47 49 57; J302 1 3 5 7 9 10 11 12 13 15 22 44 58 72 75 76 77 80 81 83 85 87 89 91 93 95; J501 23 25 46 48 52 54 58 60 64 66 70 72 75 76 77 81 82 83 84 87 88 89 90 94 96 99; J601 20 26 61; J602 20 26 61; J1003 6; MARK1R0 1; MARK1R0#2 1; MARK1R0#3 1; MARK1R0#4 1; MARK1R0#5 1; MARK1R0#6 1; U401 1; U503 1 10; U601 C4 D2 D3 E3; U602 C4 D2 D3 E3; U703 5; U704 5; U901 2 7; U902 2 7; U903 4; U904 4; U905 2 6 7; U1001 A1 A6 B1 B2 B5 B6 C1 C2 C3 C4 C5 D1 D2 D3 D4 F5 F9 G4 G5 G7 G8 G9 G10 H5 H7 H8 H9 H10 J6 J9; U1003 1 5; U1101 1 7 8 12 13 15 16 21 22 23 24

## Via types
v1: diameter 0.508, hole 0.254, TOP to BOTTOM, 2157 vias
v2: diameter 0.254, hole 0.102, TOP to GND02, 38 vias
v3: diameter 0.406, hole 0.203, GND02 to GND07, 13 vias
v4: diameter 0.356, hole 0.203, TOP to BOTTOM, 94 vias
v5: diameter 0.406, hole 0.203, TOP to BOTTOM, 158 vias

## Routing (per net, layer and track width the routed paths; a pad name or vN(x,y) marks a point on that pad's centre or on a via; arc(x,y) is an arc through that point)
GND: length 5946.5
  TOP w0.102: v1(57.36,5.26) 57.65,5.26 58.09,5.7 58.09,7.89 v1(57.37,8.62) ; v1(46.33,70.26) 45.86,70.73 43.4,70.73 42.77,70.1 42.77,67.46 43.31,66.93 43.31,58.9 40.69,56.29 38.91,56.29 38.38,55.75 38.38,54.38 38.89,53.87 39.78,53.87 v1(39.85,53.94) ; v1(37.26,77.19) 37.09,77.36 33.09,77.36 32.78,77.67 v1(32.78,77.69) ; v4(72.27,87.74) 72.38,87.74 72.77,88.14 73.53,88.14 73.71,87.96 73.71,86.92 v1(73.53,86.74) ; v1(31.12,54.32) v1(31.12,55.72) 31.12,57.35 v1(30.86,57.61) 30.86,57.99 v1(34.1,61.22) 34.18,61.22 35.35,62.39 ; v1(13.22,33.99) 11.17,33.99 10.04,35.12 10.04,38.35 v1(10.31,38.62) 10.31,38.81 10.09,39.02 10.09,44.17 v1(11.58,45.66) 12.1,46.18 16.88,46.18 v1(18.17,47.47) ; v1(46.61,75.63) 52.62,75.63 53.68,76.68 58.78,76.68 60.3,75.16 60.91,75.16 61.85,76.1 63.47,76.1 v1(63.48,76.11) 63.65,76.28 66.75,76.28 67.54,77.06 78.33,77.06 86,84.73 86,90.78 ; v1(19.37,47.47) 19.37,46.61 v1(18.7,45.94) 18.5,45.74 17.96,45.74 17.39,45.17 12.93,45.17 v1(11.55,43.79) 11.55,43.74 11.04,43.24 11.04,39.6 12.35,38.3 ; 12.35,38.3 12.1,38.05 12.1,36.15 12.26,36 13.09,36 v1(13.28,36.19) ; 12.35,38.3 12.8,37.85 v1(13.33,37.85) 13.45,37.96 15.86,37.96 v1(16.08,37.74) ; 33.53,54.58 33.57,54.54 v1(33.57,52.81) ; v1(20.57,47.47) 20.57,46.9 20.27,46.6 20.27,45.02 v1(20.43,44.86) 20.27,44.86 20.02,44.6 18.26,44.6 17.88,44.22 13.66,44.22 12.67,43.24 v1(12.67,42.57) 13.13,42.12 14.62,42.12 14.84,41.89 v1(14.98,41.89) 14.98,40.41 v1(15,40.39) ; v1(15.71,17.89) 15.97,17.89 16.1,17.75 18.59,17.75 18.77,17.58 18.77,16.19 18.67,16.09 R417.2 ; v4(28.76,88.7) 28.76,88.59 v4(29.74,87.6) 31,87.6 v4(31.01,87.59) ; v1(0.84,73.23) 0.66,73.05 0.66,67.77 0.84,67.59 v1(0.84,65.61) ; 74.57,31.52 R541.2 ; v1(39.8,60.76) 39.6,60.55 38.55,60.55 38.36,60.74 v1(35.73,60.74) 33.76,58.77 v1(33.54,58.77) 32.37,57.6 v1(32.37,55.35) v1(32.37,52.81) ; v4(34.39,89.9) 34.39,90.06 34.73,90.41 ; v1(73.33,80.01) 73.43,79.91 78.75,79.91 79.43,80.58 79.43,81.1 79.29,81.24 79.18,81.24 80.43,82.49 80.43,82.56 80.7,82.3 81.05,82.3 81.8,83.05 81.8,84 81.42,84.38 v1(80.43,84.38) ; v1(93.82,71.74) 93.82,75.65 93.19,76.28 72.85,76.28 v1(71.5,74.93) 71.12,74.93 70.36,75.69 65.78,75.69 64.89,74.8 v1(61.85,74.8) 61.57,74.8 61.21,74.45 59.87,74.45 58.37,75.95 54.2,75.95 52.91,74.65 49.05,74.65 47.68,73.28 42.39,73.28 41.88,73.79 41.88,76.29 v1(42.11,76.51) 41.88,76.73 41.88,81.84 42.16,82.12 v1(42.16,83.19) ; v1(8.51,75.66) 7.36,74.5 7.36,64.81 v1(7.52,64.64) ; v1(39.9,59.31) 39.85,59.25 39.85,58.64 39.26,58.05 38.31,58.05 v1(38.2,58.16) 35.7,55.66 v1(35.48,55.66) 35.36,55.53 35.36,54.16 34.97,53.78 v1(34.97,53.53) ; v1(78.11,82.6) 78.11,82.26 v1(79.12,81.24) ; v1(100.41,1.6) 100.43,1.63 ; v4(30.13,89.91) 30.12,89.91 29.46,90.57 29.46,91.14 30.13,91.8 30.28,91.8 v1(30.72,92.25) ; v1(80.43,82.59) 80.43,82.69 78.86,84.25 78.23,84.25 v1(78.11,84.13) 77.14,85.09 v1(76.85,85.09) ; 14.62,93 14.65,93.03 ; R908.1 103.44,22.87 v1(103.28,23.03) ; 21.05,93.18 J601.74 ; 99.54,7.48 v1(99.58,7.44) ; v1(52.63,56.88) 55.74,56.88 56.26,57.4 56.92,57.4 57.38,56.95 57.38,56.41 v1(57.91,55.88) 57.68,55.88 57.2,55.4 52.4,55.4 52.12,55.68 52.12,56.37 v1(52.63,56.88) ; 60.3,59.49 60.55,59.74 60.55,62.71 59.39,63.88 v1(58.39,63.88) 56.57,63.88 55.98,63.3 55.98,62.32 v1(56.62,61.69) 57.34,61.69 58.22,62.56 59.21,62.56 59.56,62.2 59.56,59.74 59.82,59.49 60.3,59.49
  TOP w0.152: U1001.E6 64.71,57.39 ; Q503.2 74.57,31.52 ; v4(28.76,88.7) 28.62,88.83 28.62,89.26 27.83,90.05 27.83,90.09 ; J602.74 96.05,93.21 96.86,92.4 97.5,92.4 97.83,92.06 ; v5(95.05,91.6) 93.65,93 J602.62 ; J601.62 18.65,92.97 v5(20.02,91.6) ; U1001.G6 64.71,57.97 v2(64.71,57.79) ; v1(32.13,33.53) 31.8,33.86 Q703.2 ; U1001.E5 64.82,57.28 v2(64.71,57.39) 64.71,57.57 U1001.F6 64.71,57.79 ; 22.8,92.06 22.47,92.4 21.83,92.4 21.05,93.18 ; J602.66 94.45,93.17 95.64,91.98 95.79,91.98 96.17,91.6 v5(96.17,91.6) ; U1001.C10 U1001.D10 ; U1001.A2 66.39,55.5 66.39,55.5 66.5,55.39 66.86,55.39 67.26,54.99 v1(67.51,54.99) ; 65.29,58.37 U1001.H4 ; v5(21.14,91.6) 21.14,91.6 20.76,91.98 20.61,91.98 19.45,93.14 J601.66 ; 9.05,38.72 9.05,41.44 ; 65.29,57.79 U1001.F4